# Altium PCB bwaba.PcbDoc
Units mm, origin at the board's own origin, x right, y up, seen from the top; angles counter-clockwise.
Board outline 106.68 x 67.56 mm, 2 copper layers (Top Layer, Bottom Layer); 44 components, 23 nets, 116 pads, 0 vias.
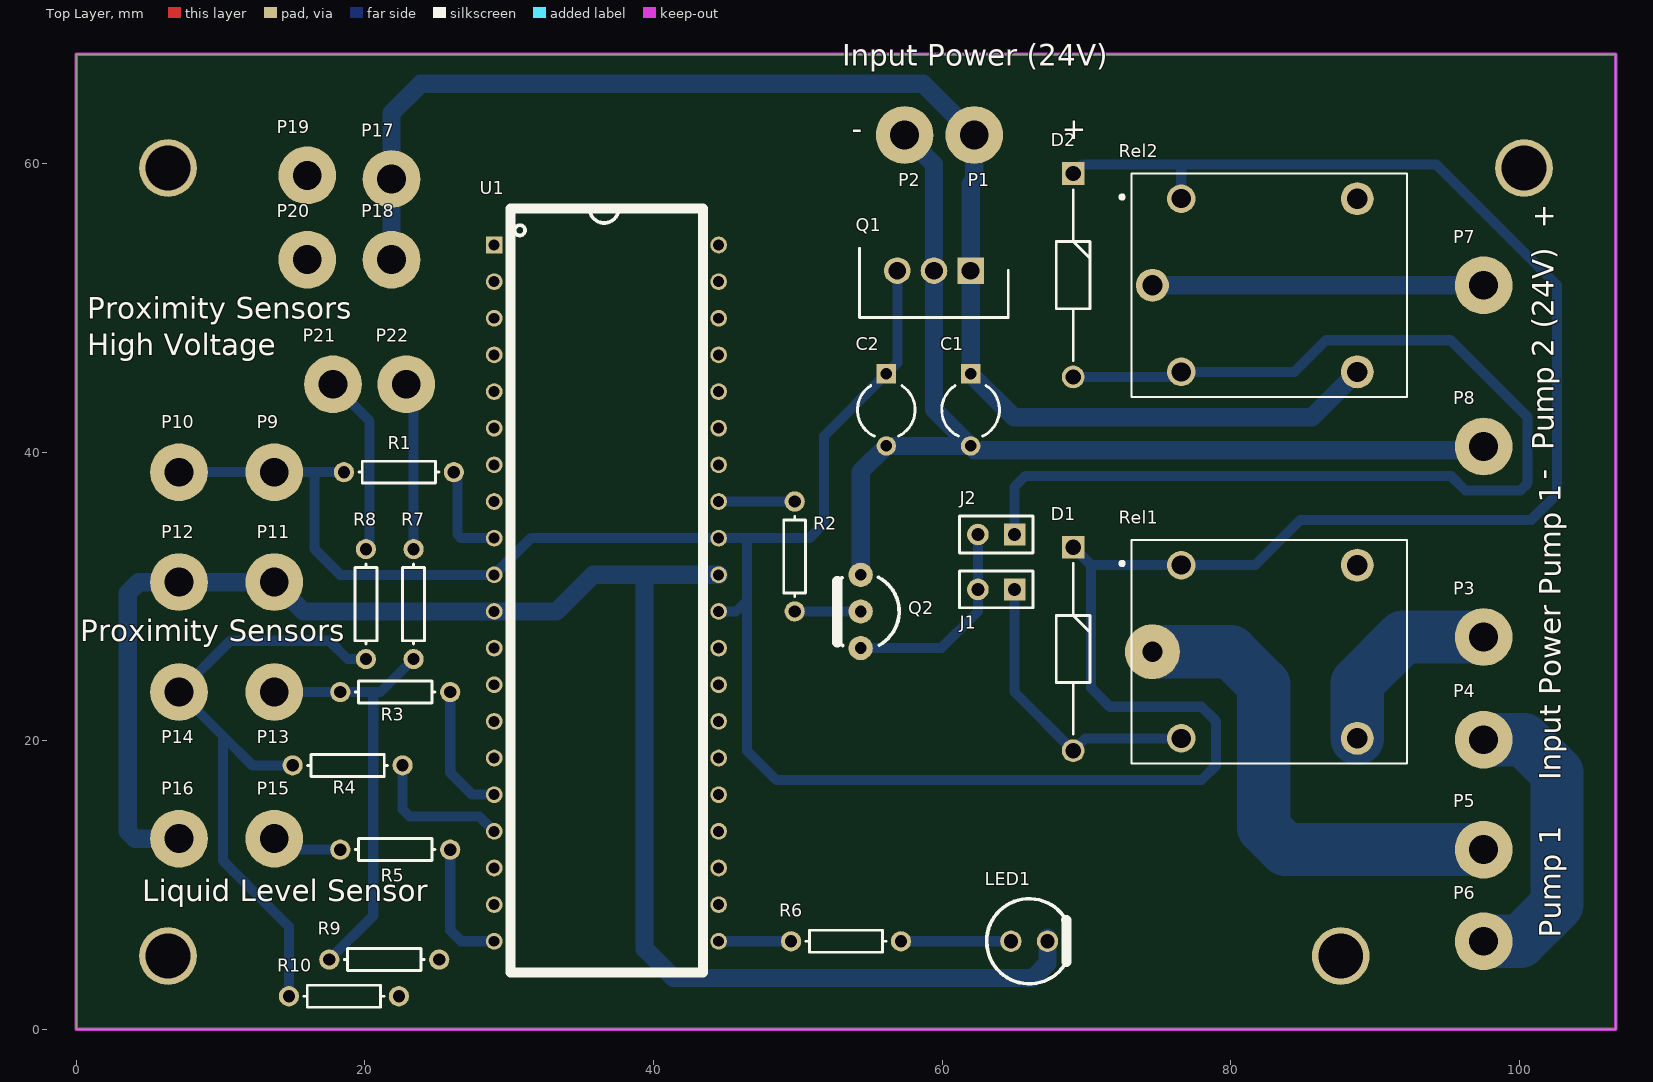
[diagram p0: Top Layer view]
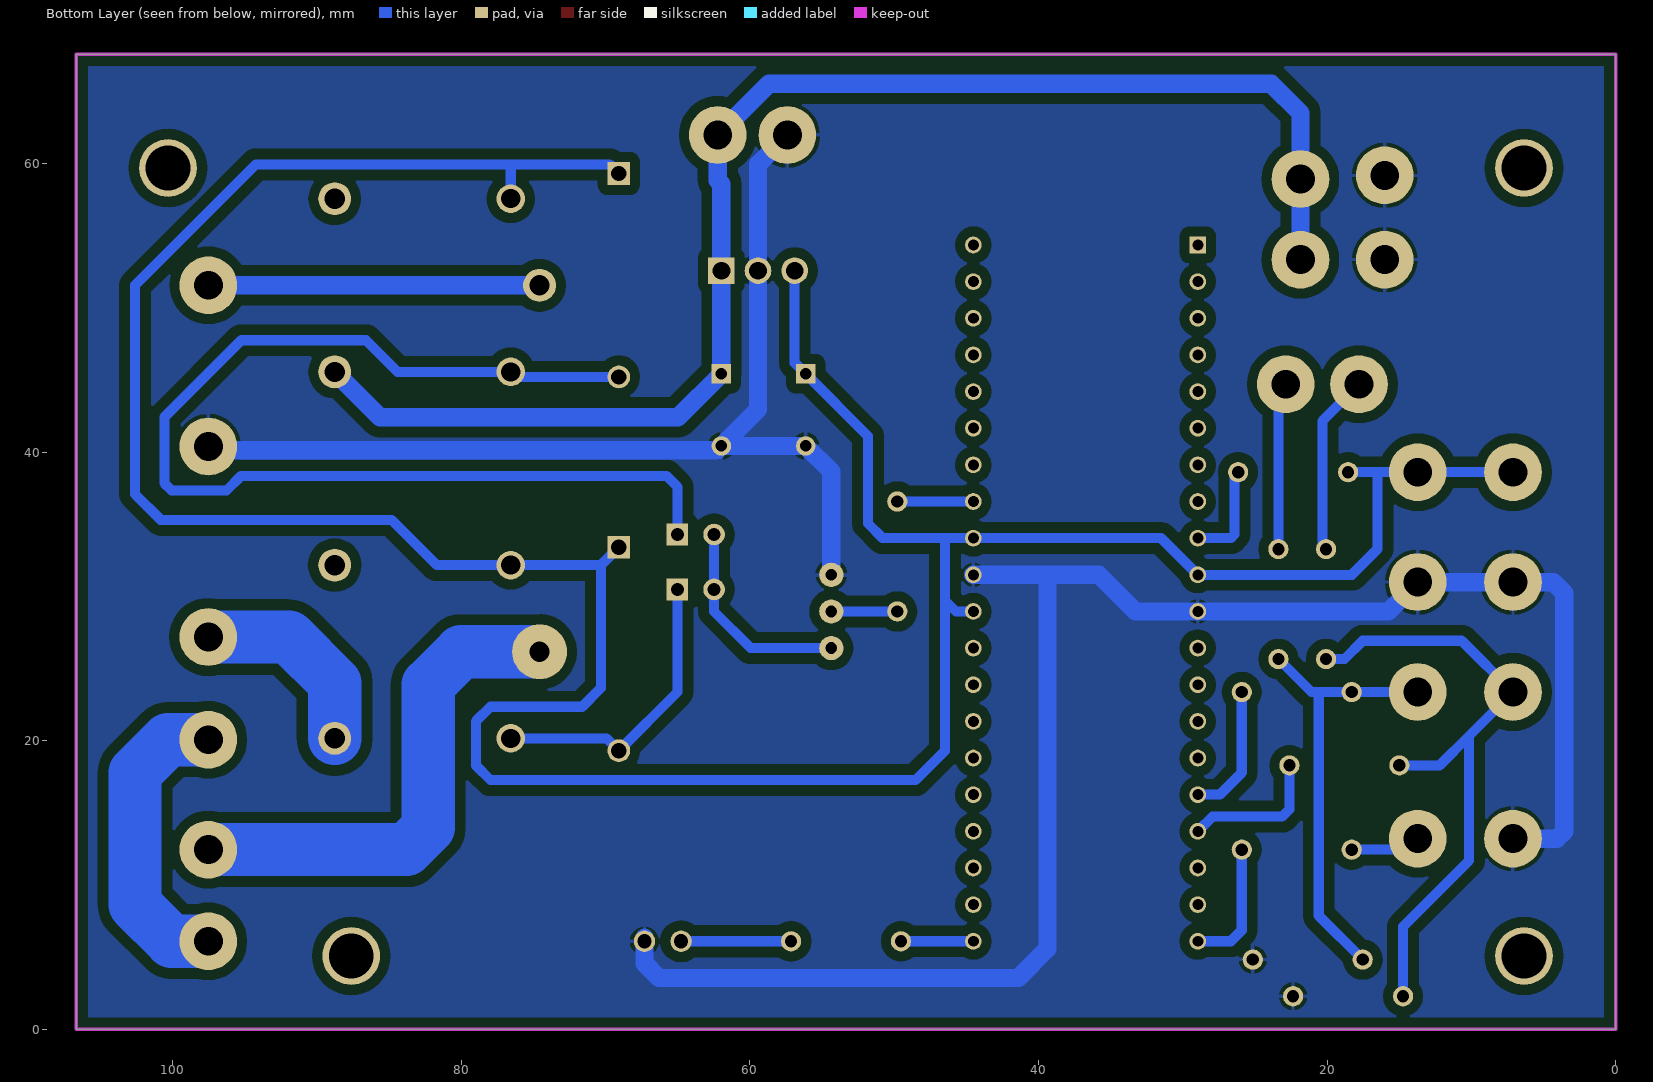
[diagram p1: Bottom Layer view, seen from below]

## Layer stack, top to bottom
Top Solder: solder mask 0.0102, Solder Resist, Dk 3.5
Top Layer: signal copper 0.0356
Dielectric 1: dielectric 0.32, FR-4, Dk 4.8
Bottom Layer: signal copper 0.0356
Bottom Solder: solder mask 0.0102, Solder Resist, Dk 3.5

## Board outline
0,0 106.68,0 106.68,67.564 0,67.564

## Design rules (kind name [scope] priority, off if disabled: settings)
Clearance Clearance_1 [(InNamedPolygon('Bottom Layer- GND')) vs OnLayer('Bottom Layer')] p1: gap=0.762 ignorepadtopadclearanceinfootprint=FALSE except(0: Arc-Hole Track-Hole SMDPad-Hole THPad-Hole Via-Hole Fill-Hole Poly-Hole Region-Hole Text-Hole)
Clearance [All] p2: gap=0.7 ignorepadtopadclearanceinfootprint=TRUE except(0: Arc-Hole Track-Hole SMDPad-Hole THPad-Hole Via-Hole Fill-Hole Poly-Hole Region-Hole Text-Hole)
HoleSize [All] p1: absolutevalues=TRUE maxlimit=3.1 minlimit=0.025 maxpercent=80.000 minpercent=20.000
PlaneClearance [All] p1: clearance=1.27
PolygonConnect [All] p1: connectstyle=Relief reliefconductorwidth=0.254 reliefentries=4 polygonreliefangle="90 Angle" airgapwidth=0.254
RoutingLayers [All] p1: top layer_v5=FALSE bottom layer_v5=TRUE
RoutingVias [All] p1: holewidth=0.711 width=1.27 viastyle="Through Hole" minholewidth=0.711 minwidth=1.27 maxholewidth=0.711 maxwidth=1.27
SolderMaskExpansion [All] p1: expansion=0.102
Width "Schematic Width Constraint_5" [InNet('EXT PWR N')] p1: maxlimit=3.81 minlimit=3.683 preferedwidth=3.683
Width "Schematic Width Constraint_4" [InNet('EXT PWR P')] p2: maxlimit=3.81 minlimit=3.683 preferedwidth=3.683
Width "Schematic Width Constraint_3" [InNet('NetP5_1')] p3: maxlimit=3.81 minlimit=3.683 preferedwidth=3.683 checkconnectedcopper=TRUE
Width "Schematic Width Constraint_2" [InNet('NetP7_1')] p4: maxlimit=1.397 minlimit=0.254 preferedwidth=1.27
Width "Schematic Width Constraint_1" [InNet('Input Power')] p5: maxlimit=1.397 minlimit=0.254 preferedwidth=1.27
Width "Schematic Width Constraint" [InNet('GND')] p6: maxlimit=1.397 minlimit=0.254 preferedwidth=1.27
Width [All] p7: maxlimit=0.7 minlimit=0.7 preferedwidth=0.7
27 further rules are at their usual default settings.

## Components (designator, comment, footprint, x,y, rotation, side; value= is the part's Value field where it differs from the comment)
C1 "220nF" CAPR5-4X5 61.976,42.926 r270 top
C2 "100nF" CAPR5-4X5 56.134,42.926 r270 top
D1 "1N4007" "Diode Generic" 69.088,33.404 r270 top
D2 "1N4007" "Diode Generic" 69.088,59.312 r270 top
J1 "Relay 1 enable" HDR1X2 65.024,30.48 r180 top
J2 "Relay 2 enable" HDR1X2 65.024,34.29 r180 top
LED1 "LED - 5mm" "LED - 5mm" 66.04,6.096 r0 top
P1 "TH Pad - 2mm" "TH Pad - 2mm" 62.23,61.976 r0 top
P2 "TH Pad - 2mm" "TH Pad - 2mm" 57.404,61.976 r0 top
P3 "TH Pad - 2mm" "TH Pad - 2mm" 97.536,27.178 r0 top
P4 "TH Pad - 2mm" "TH Pad - 2mm" 97.536,20.066 r0 top
P5 "TH Pad - 2mm" "TH Pad - 2mm" 97.536,12.446 r0 top
P6 "TH Pad - 2mm" "TH Pad - 2mm" 97.536,6.096 r0 top
P7 "TH Pad - 2mm" "TH Pad - 2mm" 97.536,51.562 r270 top
P8 "TH Pad - 2mm" "TH Pad - 2mm" 97.536,40.386 r270 top
P9 "TH Pad - 2mm" "TH Pad - 2mm" 13.716,38.608 r0 top
P10 "TH Pad - 2mm" "TH Pad - 2mm" 7.112,38.608 r0 top
P11 "TH Pad - 2mm" "TH Pad - 2mm" 13.716,30.988 r0 top
P12 "TH Pad - 2mm" "TH Pad - 2mm" 7.112,30.988 r0 top
P13 "TH Pad - 2mm" "TH Pad - 2mm" 13.716,23.368 r0 top
P14 "TH Pad - 2mm" "TH Pad - 2mm" 7.112,23.368 r0 top
P15 "TH Pad - 2mm" "TH Pad - 2mm" 13.716,13.208 r0 top
P16 "TH Pad - 2mm" "TH Pad - 2mm" 7.112,13.208 r0 top
P17 "TH Pad - 2mm" "TH Pad - 2mm" 21.844,58.928 r90 top
P18 "TH Pad - 2mm" "TH Pad - 2mm" 21.844,53.34 r90 top
P19 "TH Pad - 2mm" "TH Pad - 2mm" 16.002,59.182 r90 top
P20 "TH Pad - 2mm" "TH Pad - 2mm" 16.002,53.34 r90 top
P21 "TH Pad - 2mm" "TH Pad - 2mm" 17.78,44.704 r0 top
P22 "TH Pad - 2mm" "TH Pad - 2mm" 22.86,44.704 r0 top
Q1 "BA17805T" TO254P480X1010X2280-3P 61.976,52.578 r180 top
Q2 "P2N2222A" TO92 54.356,28.956 r270 top
R1 "10k" AXIAL-0.3 22.352,38.608 r0 top
R2 "330" AXIAL-0.3 49.784,32.766 r270 top
R3 "330" AXIAL-0.3 22.098,23.368 r0 top
R4 "330" AXIAL-0.3 18.796,18.288 r0 top
R5 "330" AXIAL-0.3 22.098,12.446 r0 top
R6 "330" AXIAL-0.3 53.34,6.096 r0 top
R7 "1.5K" AXIAL-0.3 23.368,29.464 r90 top value=330
R8 "1.5K" AXIAL-0.3 20.066,29.464 r90 top value=330
R9 "330" AXIAL-0.3 21.336,4.826 r180 top
R10 "330" AXIAL-0.3 18.542,2.286 r180 top
Rel1 "SPDT-5VDC" SRD-5VDC#1 82.55,26.162 r0 top
Rel2 "SPDT-5VDC" SRD-5VDC#2 82.55,51.562 r0 top
U1 "ATmega32" DIP1556W56P254L5232H483Q40N 28.956,54.356 r0 top

## Footprints (in the part's own frame and the unit in brackets; to place one, negate y for a bottom-side part, rotate by r counter-clockwise, add the part's x,y. Pads: shape width x height; smd on the part's side, far side on the other; paste and mask are expansions set on the pad)
AXIAL-0.3 [mm] "Axial Device, Thru-Hole; 2 Leads; 0.3 in Pin Spacing"
  round 1.4 hole 0.85: 1(-3.81,0) 2(3.81,0)
  silkscreen extent -2.77,-0.76 2.77,0.76
CAPR5-4X5 [mm] "Capacitor; 2 Leads"
  rect 1.35x1.35 hole 0.8: 1(-2.5,0)
  round 1.35 hole 0.8: 2(2.5,0)
  silkscreen extent -1.69,-2 1.82,2
"Diode Generic" [mm]
  rect 1.575x1.575 hole 1.05: 1(0,0)
  round 1.575 hole 1.05: 2(14.1,0)
  silkscreen extent 1.14,-1.18 12.96,1.18, body extent -0.43,-1.35 14.48,1.35, height 2.69
DIP1556W56P254L5232H483Q40N [mm]
  rect 1.159x1.159 hole 0.759: 1(0,0)
  round 1.159 hole 0.759: 2(0,-2.54) 3(0,-5.08) 4(0,-7.62) 5(0,-10.16) 6(0,-12.7) 7(0,-15.24) 8(0,-17.78) 9(0,-20.32) 10(0,-22.86) 11(0,-25.4) 12(0,-27.94) 13(0,-30.48) 14(0,-33.02) 15(0,-35.56) 16(0,-38.1) 17(0,-40.64) 18(0,-43.18) 19(0,-45.72) 20(0,-48.26) 21(15.558,-48.26) 22(15.558,-45.72) 23(15.558,-43.18) 24(15.558,-40.64) 25(15.558,-38.1) 26(15.558,-35.56) 27(15.558,-33.02) 28(15.558,-30.48) 29(15.558,-27.94) 30(15.558,-25.4) 31(15.558,-22.86) 32(15.558,-20.32) 33(15.558,-17.78) 34(15.558,-15.24) 35(15.558,-12.7) 36(15.558,-10.16) 37(15.558,-7.62) 38(15.558,-5.08) 39(15.558,-2.54) 40(15.558,0)
  silkscreen extent 1.14,-50.42 14.48,2.54, body extent -0.14,-50.29 15.7,2.03, height 4.83
HDR1X2 [mm] "Connector; Header; 2 Position"
  rect 1.5x1.5 hole 0.9: 1(0,0)
  round 1.5 hole 0.9: 2(2.54,0)
  silkscreen extent -1.27,-1.27 3.81,1.27
"LED - 5mm" [mm]
  round 1.48 hole 0.98: 1(-1.27,0) 2(1.27,0)
  silkscreen extent -2.95,-2.95 2.58,2.95, body extent -2.95,-2.82 2.45,3.08, height 9.2
SRD-5VDC#1 [mm]
  round 1.98 hole 1.32: A1(-5.973,6) A2(-5.973,-6)
  round 3.81 hole 1.397: COM(-7.973,0)
  round 2.286 hole 1.397: NC(6.227,6) NO(6.227,-6)
  silkscreen extent -10.17,-7.75 9.68,7.75, body extent -9.4,-7.71 9.7,7.79, height 15.41
SRD-5VDC#2 [mm]
  round 1.98 hole 1.32: A1(-5.973,6) A2(-5.973,-6)
  round 2.286 hole 1.397: COM(-7.973,0) NC(6.227,6) NO(6.227,-6)
  silkscreen extent -10.17,-7.75 9.68,7.75, body extent -9.4,-7.71 9.7,7.79, height 15.41
"TH Pad - 2mm" [mm]
  round 4 hole 2: 1(0,0)
TO92 [mil]
  round 66 hole 32: 1(-100,0) 2(0,0) 3(100,0)
  silkscreen extent -93,-64 93,105
TO254P480X1010X2280-3P [mm]
  rect 1.845x1.845 hole 1.23: 1(0,0)
  round 1.845 hole 1.23: 2(2.54,0) 3(5.08,0)
  silkscreen extent -2.61,-1.55 7.69,3.25, body extent -2.51,-1.55 7.59,3.25, height 22.1

## Part data
C1 C2: library part Cap2, "Capacitor", PackageDescription="Capacitor; 2 Leads", PackageReference=CAPR5-4X5, Published=23-Sep-2002, Publisher="Altium Limited"
D1 D2: "Diode", Manufacturer_Name="ON Semiconductor", Mouser Part Number=512-1N4007, Arrow Part Number=1N4007, Arrow Price/Stock=https://www.arrow.com/en/products/1n4007/on-semiconductor, Datasheet Link=http://www.onsemi.com/pub/Collateral/1N4001-D.PDF, Manufacturer_Part_Number=1N4007, Mouser Price/Stock=https://www.mouser.co.uk/ProductDetail/ON-Semiconductor-Fairchild/1N4007?qs=ZbYWOjW8mGpDHeErRxax7Q%3D%3D
J1 J2: library part "Header 2", "Header, 2-Pin", LatestRevisionDate=17-Jul-2002, LatestRevisionNote="Re-released for DXP Platform.", Publisher="Altium Limited"
LED1: "LED", Arrow Part Number=L-53GD, Manufacturer_Name=Kingbright, Mouser Part Number=N/A, Arrow Price/Stock=https://www.arrow.com/en/products/l-53gd/kingbright, Datasheet Link=http://docs-emea.rs-online.com/webdocs/151e/0900766b8151e408.pdf, Manufacturer_Part_Number=L-53GD, Mouser Price/Stock=https://www.mouser.co.uk/ProductDetail/Kingbright/L-53GD?qs=2JU0tDl2GZ2KA1NEp%252B9cyQ%3D%3D
Q1: "Voltage Regulator", Manufacturer_Name="ROHM Semiconductor", Mouser Part Number=755-BA17805T, Arrow Part Number=BA17805T, Datasheet Link=http://docs-emea.rs-online.com/webdocs/113a/0900766b8113ab9d.pdf, Height=4.8mm, Manufacturer_Part_Number=BA17805T, Mouser Price/Stock=https://www.mouser.co.uk/ProductDetail/ROHM-Semiconductor/BA17805T?qs=4kLU8WoGk0vqBpJIp83X0w%3D%3D
Q2: "Transitor BJT_ NPN 40V 600mA 300 MHz 625mW TO-92-3", Package="TO-92 ON Semiconductor", Availability=Unavailable, MF="ON Semiconductor", MP=P2N2222A, Price=None, SnapEDA_Link=https://www.snapeda.com/parts/P2N2222A/ON%20Semiconductor/view-part/13920/?ref=snap
R1 R2 R3 R4 R5 R6 R7 R8 R9 R10: library part Res1, "Resistor", LatestRevisionDate=17-Jul-2002, LatestRevisionNote="Re-released for DXP Platform.", PackageDescription="Axial Device, Thru-Hole; 2 Leads; 0.3 in Pin Spacing", PackageReference=AXIAL-0.3, Published=8-Jun-2000, Publisher="Altium Limited"
Rel1 Rel2: library part Relay-SRD-5VDC, "Relay"
U1: library part ATMEGA32-16PU_1, "AVR ATmega Microcontroller IC 8-Bit 16MHz 32KB _16K x 16_ FLASH 40-PDIP", Manufacturer_Name=Microchip, Manufacturer_Part_Number=ATMEGA32-16PU, Mouser2 Part Number=556-ATMEGA32-16PU, Datasheet Link=https://componentsearchengine.com//ATMEGA32-16PU.pdf, Height=4.826mm, Mouser2 Price/Stock=https://www.mouser.com/Search/Refine.aspx?Keyword=556-ATMEGA32-16PU

## Free pads (board coordinates)
  round 4 hole 3.1: FX4(6.35,59.69) FX5(100.33,59.69) FX6(87.63,5.08) FX7(6.35,5.08)

## Nets (pads, with @x,y where several pads share a name; then routed paths per layer and width w, separated by ;. In a path a pad name is that pad's centre, name@x,y a point inside that pad or via, vN(x,y) a via of type N, cw(c..) or ccw(c..) an arc to the next point about the centre after c; other vN are vias at no path point)
5V: C2.1 D1.1 D2.1 P9.1 P10.1 Q1.3 R1.1 Rel1.A1 Rel2.A1 U1.10 U1.30 U1.32 | length 236.1
  Bottom Layer w0.7: P10.1 P9.1 16.51,38.608 ; R1.1 16.51,38.608 ; U1.30 45.72,28.956 46.482,29.718 ; Q1.3 56.896,46.188 C2.1 51.816,41.108 51.816,35.052 50.8,34.036 46.482,34.036 ; D1.1 70.33,32.162 ; D2.1 69.72,59.944 76.454,59.944 ; Rel2.A1 76.577,59.821 76.454,59.944 ; 16.51,38.608 16.51,33.274 18.288,31.496 U1.10 31.496,34.036 U1.32 46.482,34.036 ; 46.482,29.718 46.482,34.036 ; 46.482,29.718 46.482,19.304 48.514,17.272 77.978,17.272 78.994,18.288 78.994,21.336 77.978,22.352 71.628,22.352 70.33,23.65 70.33,32.162 ; 70.33,32.162 Rel1.A1 81.692,32.162 84.836,35.306 100.838,35.306 102.616,37.084 102.616,51.562 94.234,59.944 76.454,59.944
"EXT PWR N": P4.1 P6.1 | length 21.3
  Bottom Layer w3.683: P6.1 100.076,6.096 102.616,8.636 102.616,17.78 100.33,20.066 P4.1
"EXT PWR P": P3.1 Rel1.NO | length 13.9
  Bottom Layer w3.683: Rel1.NO 88.777,24.007 91.948,27.178 P3.1
GND: C1.2 C2.2 LED1.2 P2.1 P8.1 P11.1 P12.1 P16.1 P19.1 P20.1 Q1.2 Q2.1 R9.1 R10.1 U1.11 U1.31 | length 195.2
  Bottom Layer w1.27: P16.1 4.064,13.208 3.556,13.716 3.556,30.226 4.318,30.988 P12.1 P11.1 15.748,28.956 U1.11 33.274,28.956 35.814,31.496 39.37,31.496 ; U1.31 39.37,31.496 ; Q2.1 54.356,38.648 C2.2 C1.2 ; P2.1 59.436,59.944 Q1.2 59.436,42.966 C1.2 ; LED1.2@67.31,6.35 LED1.2 67.31,4.572 66.294,3.556 41.402,3.556 39.37,5.588 39.37,31.496 ; P8.1@97.536,40.64 97.028,40.132 62.27,40.132 C1.2
"Input Power": C1.1 P1.1 P17.1 P18.1 Q1.1 Rel2.NO | length 98.9
  Bottom Layer w1.27: P18.1 P17.1 21.844,63.5 23.876,65.532 58.674,65.532 P1.1 62.23,58.833 61.976,58.579 Q1.1 C1.1 64.984,42.418 85.633,42.418 Rel2.NO
LED: LED1.1 R6.2 | length 7.6
  Bottom Layer w0.7: R6.2 LED1.1
NetD1_2: D1.2 J1.1 Rel1.A2 | length 20.7
  Bottom Layer w0.7: J1.1 65.024,23.368 D1.2 69.946,20.162 Rel1.A2
NetD2_2: D2.2 J2.1 Rel2.A2 | length 79.1
  Bottom Layer w0.7: J2.1 65.024,37.592 65.786,38.354 95.255,38.354 96.273,37.336 98.799,37.336 98.801,37.338 100.076,37.338 100.586,37.848 100.586,41.651 100.584,41.653 100.584,42.418 95.247,47.755 87.869,47.755 87.866,47.752 86.614,47.752 84.424,45.562 Rel2.A2 76.227,45.212 D2.2
NetP5_1: P5.1 Rel1.COM | length 34.4
  Bottom Layer w3.683: Rel1.COM 80.01,26.162 82.296,23.876 82.296,13.97 83.82,12.446 P5.1
NetP7_1: P7.1 Rel2.COM | length 23
  Bottom Layer w1.27: Rel2.COM P7.1
NetP21_1: P21.1 R8.2 | length 13.1
  Bottom Layer w0.7: P21.1@17.272,44.958 P21.1@17.653,44.577 ; P21.1 20.32,42.164 20.32,33.528 R8.2
NetP22_1: P22.1 R7.2 | length 11.6
  Bottom Layer w0.7: P22.1 23.368,44.196 R7.2
NetQ2_2: Q2.2 R2.2 | length 4.6
  Bottom Layer w0.7: R2.2 Q2.2
NetR1_2: R1.2 U1.9 | length 7.1
  Bottom Layer w0.7: R1.2 26.416,38.354 26.416,34.29 26.67,34.036 U1.9
NetR3_2: R3.2 U1.16 | length 9.3
  Bottom Layer w0.7: R3.2 25.908,17.78 27.432,16.256 U1.16
NetR4_2: R4.2 U1.17 | length 10
  Bottom Layer w0.7: R4.2 22.606,15.24 23.114,14.732 27.94,14.732 U1.17
NetR5_2: R5.2 U1.20 | length 9
  Bottom Layer w0.7: R5.2 25.908,6.858 26.67,6.096 U1.20
NetR6_1: R6.1 U1.21 | length 5.1
  Bottom Layer w0.7: U1.21 49.276,6.096 R6.1@49.53,6.35
"Relay Coil -": J1.2 J2.2 Q2.3 | length 14.5
  Bottom Layer w0.7: Q2.3 59.944,26.416 62.484,28.956 J1.2 J2.2
"Relay Control": R2.1 U1.33 | length 5.3
  Bottom Layer w0.7: U1.33 R2.1
"Sensor 1 Signal": P13.1 R3.1 R7.1 R9.2 | length 30.5
  Bottom Layer w0.7: P13.1 R3.1 20.828,23.368 ; R9.2 20.574,7.874 20.574,23.114 20.828,23.368 ; R7.1 21.082,23.368 20.828,23.368
"Sensor 2 Signal": P14.1 R4.1 R8.1 R10.2 | length 44.9
  Bottom Layer w0.7: R10.2 14.732,7.112 10.16,11.684 10.16,11.943 10.162,11.945 10.162,20.318 ; R4.1 12.192,18.288 10.162,20.318 ; R8.1 18.796,25.654 17.526,26.924 10.668,26.924 P14.1 10.162,20.318
"Sensor 3 Signal": P15.1 R5.1 | length 4.9
  Bottom Layer w0.7: P15.1 14.478,12.446 R5.1
pads on no net: Rel1.NC Rel2.NC U1.1 U1.2 U1.3 U1.4 U1.5 U1.6 U1.7 U1.8 U1.12 U1.13 U1.14 U1.15 U1.18 U1.19 U1.22 U1.23 U1.24 U1.25 U1.26 U1.27 U1.28 U1.29 U1.34 U1.35 U1.36 U1.37 U1.38 U1.39 U1.40

## Polygon pours and split planes (outlines as drawn)
GND on Bottom Layer "Bottom Layer- GND" (solid, remove dead copper, pour order 0): 0,0 106.68,0 106.68,67.564 0,67.564

## Keep-outs
Keep-Out Layer:
  the board outline again, w0.254

## Silkscreen, mask and mechanical layers (free items; w line width, h text height)
Top Overlay:
  text "Input Power (24V) /  /  -                     +" at 53.086,61.214 h2.54
  text "Proximity Sensors / High Voltage" at 0.762,46.228 h2.54
  text "-  Pump 2 (24V)  +" at 102.87,38.1 h2.54 r90
  text "Proximity Sensors" at 0.254,26.416 h2.54
  text "Input Power Pump 1" at 103.378,17.272 h2.54 r90
  text "Liquid Level Sensor" at 4.572,8.382 h2.54
  text "Pump 1" at 103.378,6.35 h2.54 r90